# Altium PCB VNA_v4.PcbDoc (part 5 of 5)
Units mm, origin at the board's own origin, x right, y up, seen from the top; angles counter-clockwise.
Board outline 179 x 180 mm, 2 copper layers (Top Layer, Bottom Layer), stack 1.601 mm thick; 281 components, 184 nets, 845 pads, 5745 vias.
Unrouted connection lines stored in the file: 5.
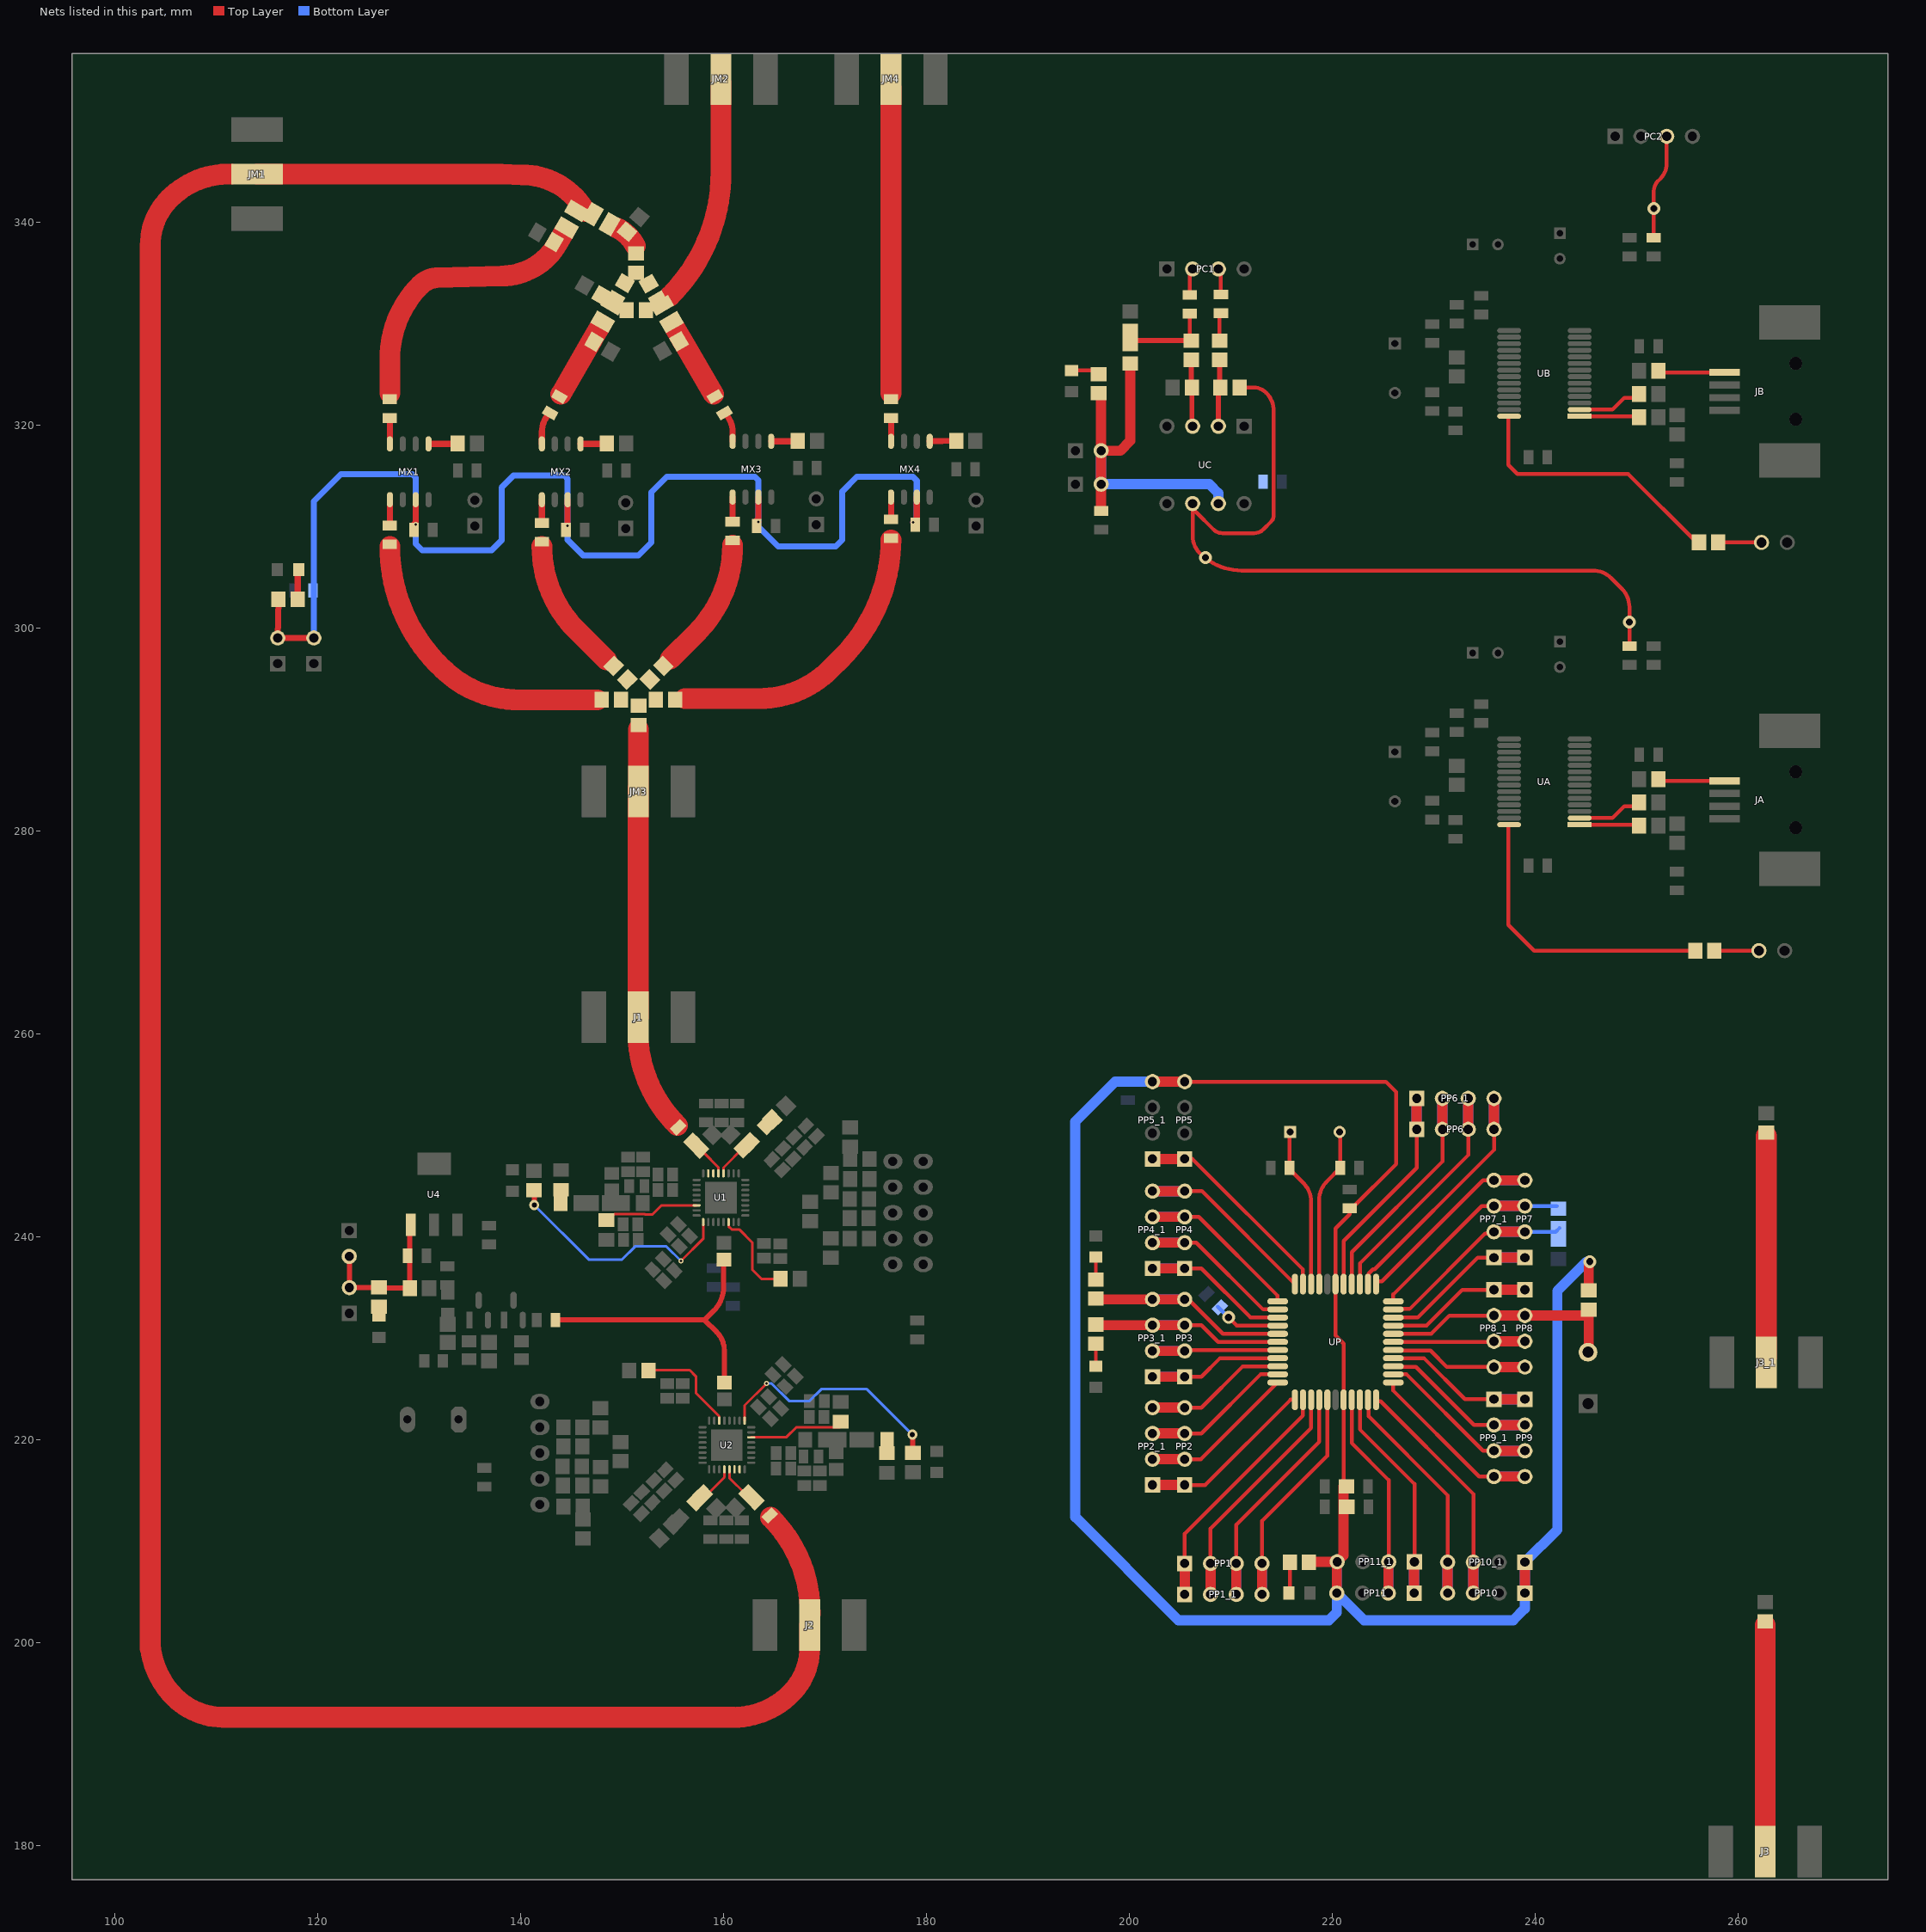
[diagram p5: the nets of this part, all layers, seen from the top]

## Via types
v1: diameter 0.5, hole 0.254, Top Layer to Bottom Layer, 5718 vias
v2: diameter 5, hole 4, Top Layer to Bottom Layer, 12 vias
v3: diameter 1, hole 0.5, Top Layer to Bottom Layer, 8 vias
v4: diameter 1.27, hole 0.711, Top Layer to Bottom Layer, 7 vias

## Nets (pads, with @x,y where several pads share a name; then routed paths per layer and width w, separated by ;. In a path a pad name is that pad's centre, name@x,y a point inside that pad or via, vN(x,y) a via of type N, cw(c..) or ccw(c..) an arc to the next point about the centre after c; other vN are vias at no path point) (continued)
NetCC1_1: CC1.1 RC1.2 RC7.1 RC8.1 | length 8.6
  Top Layer w0.381: RC1.2@205.867,328.314 205.973,328.42 CC1.1@205.973,330.966
  Top Layer w0.5: RC8.1@200.1,327.95 200.464,328.314 RC1.2@205.867,328.314
NetCC2_1: CC2.1 RC2.2 | length 2.7
  Top Layer w0.381: RC2.2@208.915,328.314 208.915,330.884 CC2.1@209.042,331.011
NetCM11_2: CM11.2 MX1.5 | length 2.5
  Top Layer w0.6: CM11.2@127.121,310.084 MX1.5@127.121,312.632
NetCM12_2: CM12.2 MX1.4 | length 2.5
  Top Layer w0.6: MX1.4@127.121,318.132 CM12.2@127.121,320.68
NetCM21_2: CM21.2 MX2.5 | length 2.3
  Top Layer w0.6: CM21.2@142.107,310.338 MX2.5@142.107,312.632
NetCM22_2: CM22.2 MX2.4 | length 3.3
  Top Layer w0.6: MX2.4@142.107,318.132 142.107,319.325 cw(c144.647,319.325) 142.851,321.121 CM22.2@142.914,321.185
NetCM31_2: CM31.2 MX3.5 | length 2.4
  Top Layer w0.6: CM31.2@160.903,310.465 MX3.5@160.903,312.886
NetCM32_2: CM32.2 MX3.4 | length 3
  Top Layer w0.6: CM32.2@160.095,321.185 160.159,321.121 cw(c158.363,319.325) 160.903,319.325 MX3.4@160.903,318.386
NetCM41_2: CM41.2 MX4.5 | length 2.2
  Top Layer w0.6: CM41.2@176.524,310.683 MX4.5@176.524,312.886
NetCM42_2: CM42.2 MX4.4 | length 2.3
  Top Layer w0.6: MX4.4@176.524,318.386 CM42.2@176.524,320.68
NetD41_2: D41.2 R41.1
NetDA_1: DA.1 RA5.1 | length 4.4
  Top Layer w0.381: RA5.1@257.686,268.175 DA.1@262.07,268.175
NetDB_1: DB.1 RB5.1 | length 4.4
  Top Layer w0.381: RB5.1@258.065,308.413 DB.1@262.449,308.413
NetDC_2: DC.2 RC5.1 | length 2.8
  Top Layer w0.381: DC.2@194.31,325.366 196.623,325.366 RC5.1@196.977,325.012
NetDM6_2: DM6.2 RM6.1 | length 3
  Top Layer w0.6: RM6.1@118.038,302.809 118.038,305.63 DM6.2@118.138,305.73
NetDP1_2: DP1.2 RP1.1 | length 3.1
  Top Layer w0.381: DP1.2@215.727,204.843 215.827,204.943 RP1.1@215.827,207.891
NetDP2_2: DP2.2 RP2.1 | length 2.2
  Top Layer w0.381: RP2.1@196.711,235.765 DP2.2@196.711,237.956
NetDP3_2: DP3.2 RP3.1 | length 2.2
  Top Layer w0.381: DP3.2@196.711,227.229 RP3.1@196.711,229.42
NetMX1_1: MX1.1 RM1.2 | length 2.9
  Top Layer w0.6: MX1.1@130.931,318.132 133.747,318.132 RM1.2@133.791,318.176
NetMX2_1: MX2.1 RM2.2 | length 2.7
  Top Layer w0.6: MX2.1@145.917,318.132 148.352,318.132 RM2.2@148.523,318.303
NetMX3_1: MX3.1 RM3.2 | length 2.7
  Top Layer w0.6: MX3.1@164.713,318.386 167.148,318.386 RM3.2@167.319,318.557
NetMX4_1: MX4.1 RM4.2 | length 2.6
  Top Layer w0.6: MX4.1@180.334,318.386 RM4.2@182.94,318.43
NetR11A_1: R11A.2 R11B.1
NetR13_1: R13.1 U1.22 | length 9.5
  Top Layer w0.254: R13.1@148.49,241.355 R13.1@148.59,241.355 ; R13.1@148.57,241.635 149.098,242.163 149.237,242.163 149.269,242.195 152.239,242.195 152.251,242.183 153.023,242.183 153.913,243.073 U1.22@157.358,243.073
NetR14_2: R14.2 U1.25 | length 23.8
  Top Layer w0.254: R14.2@141.32,244.56 R14.2@141.35,244.53 ; v1(155.817,237.583) 158.006,239.772 U1.25@158.006,241.15
  Top Layer w0.5: v3(141.35,243.106) R14.2@141.35,244.53
  Bottom Layer w0.254: v3(141.35,243.106) 146.726,237.73 150.01,237.73 151.3,239.02 154.38,239.02 v1(155.817,237.583)
NetR16_1: R16.1 U1.30 | length 9.3
  Top Layer w0.254: U1.30@160.508,241.423 160.508,241.009 160.82,240.696 161.554,240.696 162.833,239.417 162.833,236.747 163.75,235.83 R16.1@165.64,235.83
NetR21A_1: R21A.2 R21B.1
NetR23_1: R23.1 U2.22 | length 9.2
  Top Layer w0.254: U2.22@162.743,220.197 166.187,220.197 167.19,221.2 R23.1@171.48,221.2
NetR24_2: R24.2 U2.25 | length 23.8
  Top Layer w0.254: U2.25@162.093,221.847 162.093,223.347 v1(164.248,225.502) ; v3(178.63,220.46) v3@178.67,220.42
  Top Layer w0.5: R24.2@178.67,218.68 v3@178.67,220.42
  Bottom Layer w0.254: v1(164.248,225.502) 164.758,225.502 166.47,223.79 168.484,223.79 169.644,224.95 174.14,224.95 v3(178.63,220.46)
NetR26_1: R26.1 U2.30 | length 10.5
  Top Layer w0.254: R26.1@152.59,226.35 153.06,226.82 156.68,226.82 157.28,226.22 157.28,224.58 159.593,222.268 U2.30@159.593,221.847
NetR51_2: R51.2 R52.2 R53.2 R54.2 R55.1
NetRA1_2: RA1.2 UA.1 | length 5.9
  Top Layer w0.381: UA.1@244.394,280.594 250.163,280.594 RA1.2@250.256,280.501
NetRA2_1: RA2.1 UA.2 | length 6.5
  Top Layer w0.381: UA.2@244.394,281.244 247.631,281.244 248.793,282.406 249.875,282.406 RA2.1@250.256,282.787
NetRA5_2: RA5.2 UA.28 | length 30.3
  Top Layer w0.381: UA.28@236.484,280.594 UA.28@237.444,280.594 ; UA.28@237.444,280.552 237.363,280.471 237.363,270.722 239.91,268.175 RA5.2@255.786,268.175
NetRB1_2: RB1.2 UB.1 | length 5.9
  Top Layer w0.381: UB.1@244.394,320.853 250.163,320.853 RB1.2@250.256,320.76
NetRB2_1: RB2.1 UB.2 | length 6.5
  Top Layer w0.381: UB.2@244.394,321.503 247.631,321.503 248.793,322.665 249.875,322.665 RB2.1@250.256,323.046
NetRB5_2: RB5.2 UB.28 | length 27.7
  Top Layer w0.381: UB.28@236.484,320.853 UB.28@237.444,320.853 ; UB.28@237.444,320.811 237.363,320.73 237.363,316.061 238.252,315.172 249.174,315.172 255.933,308.413 RB5.2@256.165,308.413
NetRC1_1: RC1.1 RC6.1 UC.3 | length 6.6
  Top Layer w0.5: RC6.1@206.121,323.742 RC1.1@206.121,326.414 ; UC.3@206.182,319.937 RC6.1@206.182,323.681
  Top Layer w1: RC6.1@206.121,323.742 RC6.1@206.182,323.681 ; UC.3@206.182,319.937 UC.3@206.248,319.871
NetRC2_1: RC2.1 RC4.2 UC.2 | length 6.7
  Top Layer w0.5: UC.2@208.788,319.871 RC4.2@208.788,323.488 ; RC4.2@208.915,323.747 RC2.1@208.915,326.414
  Top Layer w1: RC4.2@208.788,323.488 RC4.2@208.981,323.681 RC4.2@208.915,323.747
NetRR1_1: RR1.1 RR4A.1 RR5.1 | length 2.6
  Top Layer w2.053: 149.487,339.417 cw(c147.893,335.938) 151.32,337.64
NetRR1_2: RR1.2 RR6A.2 RR7A.2
NetRR7A_1: RR7A.1 RR8A.2 RR12.2 RR14A.1
NN: "RN 50 Ohm.2" J3_1.1 | length 21.8
  Top Layer w2.053: J3_1.1@262.8,228.1 262.8,249.9
OLin1: CM11.1 R51.1 | length 29.5
  Top Layer w2.053: CM11.1@127.121,308.016 ccw(c143.67,308.016) 132.265,296.025 ccw(c139.803,303.565) 139.803,292.903 R51.1@147.568,292.903
OLin2: CM21.1 R52.1 | length 13.3
  Top Layer w2.053: CM21.1@142.107,308.016 ccw(c153.758,308.016) 145.52,299.777 148.457,296.84
OLin3: CM31.1 R53.1 | length 13.2
  Top Layer w2.053: 154.77,296.93 157.311,299.471 ccw(c148.639,308.143) CM31.1@160.903,308.143
OLin4: CM41.1 R54.1 | length 29.6
  Top Layer w2.053: 156.204,293.03 163.57,293.03 ccw(c163.57,302.841) 170.508,295.904 171.636,297.032 ccw(c159.835,308.833) CM41.1@176.523,308.651
OSC1: CP1.2 UP.30 YP.2 | length 16.1
  Top Layer w0.381: UP.30@218.733,235.308 218.733,243.629 cw(c221.273,243.629) 219.477,245.425 CP1.2@220.805,246.753 YP.2@220.805,250.69
OSC2: CP2.2 UP.31 YP.1 | length 16.2
  Top Layer w0.381: YP.1@215.797,250.69 CP2.2@215.797,246.753 215.797,246.626 217.189,245.234 cw(c215.393,243.438) 217.933,243.438 UP.31@217.933,235.308
PDBRF1: 
PDBRF2: 
Pfwd: CM12.1 RR2A.1 RR3.1 | length 27.8
  Top Layer w2.053: 127.121,323.129 127.121,326.53 cw(c137.36,326.53) 130.12,333.77 cw(c131.926,331.964) 131.689,334.507 138.17,334.671 ccw(c138.1,341.041) 143.419,337.536 143.604,337.848 143.733,338.065 RR2A.1@144.371,339.144
Pin: C227.2 J2.1 JM1.1 RR2A.2 RR4A.2 | length 269.2
  Top Layer w2.053: 110.692,192.615 cw(c110.692,199.392) 105.9,194.6 cw(c111.776,200.476) 103.547,199.321 cw(c103.66,199.434) 103.5,199.434 103.5,337.713 cw(c109.987,337.713) 105.4,342.3 cw(c111.276,336.424) JM1.1@111.501,344.731 ; 111,192.6 160.977,192.6 ccw(c160.977,200.623) 166.65,194.95 ccw(c162.184,199.416) 168.5,199.416 J2.1@168.5,201.69 ; JM1.1@114.04,344.719 138.066,344.719 138.111,344.718 140.183,344.647 cw(c140.183,337.513) RR2A.2@146.384,341.04 ; C227.2@164.65,212.32 cw(c155.333,202.948) J2.1@168.531,202.284
PIN1: PP2.1 PP2_1.1 UP.1 | length 20.7
  Top Layer w0.381: PP2.1@205.474,215.511 207.506,215.511 215.903,223.908 UP.1@216.333,223.908
  Top Layer w1: PP2_1.1@202.299,215.511 PP2.1@205.474,215.511
  Bottom Layer w1: PP2_1.1@202.299,215.511 PP2.1@205.474,215.511
PIN2: PP1.1 PP1_1.1 UP.2 | length 27.1
  Top Layer w0.381: PP1.1@205.474,207.764 205.474,210.685 217.133,222.344 UP.2@217.133,223.908
  Top Layer w1: PP1_1.1@205.474,204.716 PP1.1@205.474,207.764
  Bottom Layer w1: PP1_1.1@205.474,204.716 PP1.1@205.474,207.764
PIN3: PP1.2 PP1_1.2 UP.3 | length 26.3
  Top Layer w0.381: PP1.2@208.014,207.764 208.014,211.193 217.933,221.112 UP.3@217.933,223.908
  Top Layer w1: PP1_1.2@208.014,204.716 PP1.2@208.014,207.764
  Bottom Layer w1: PP1_1.2@208.014,204.716 PP1.2@208.014,207.764
PIN4: PP1.3 PP1_1.3 UP.4 | length 25.6
  Top Layer w0.381: PP1.3@210.554,207.764 210.554,211.574 218.733,219.753 UP.4@218.733,223.908
  Top Layer w1: PP1_1.3@210.554,204.716 PP1.3@210.554,207.764
  Bottom Layer w1: PP1_1.3@210.554,204.716 PP1.3@210.554,207.764
PIN5: PP1.4 PP1_1.4 UP.5 | length 24.9
  Top Layer w0.381: PP1.4@213.094,207.764 213.094,211.955 219.533,218.394 UP.5@219.533,223.908
  Top Layer w1: PP1_1.4@213.094,204.716 PP1.4@213.094,207.764
  Bottom Layer w1: PP1_1.4@213.094,204.716 PP1.4@213.094,207.764
PIN8: PP11.2 PP11_1.2 UP.8 | length 23.7
  Top Layer w0.381: UP.8@221.933,223.908 221.933,219.626 225.574,215.985 PP11_1.2@225.574,207.932
  Top Layer w1: PP11.2@225.54,204.843 225.54,207.898 PP11_1.2@225.574,207.932
  Bottom Layer w0.381: PP11_1.2@225.54,207.898 PP11_1.2@225.574,207.932
  Bottom Layer w1: PP11.2@225.54,204.843 PP11_1.2@225.54,207.898
PIN9: PP11.1 PP11_1.1 UP.9 | length 24.4
  Top Layer w0.381: UP.9@222.733,223.908 222.733,220.985 228.114,215.604 PP11_1.1@228.114,207.932
  Top Layer w1: PP11.1@228.08,204.843 228.08,207.898 PP11_1.1@228.114,207.932
  Bottom Layer w0.381: PP11_1.1@228.08,207.898 PP11_1.1@228.114,207.932
  Bottom Layer w1: PP11.1@228.08,204.843 PP11_1.1@228.08,207.898
PIN10: PP10.4 PP10_1.4 UP.10 | length 24.9
  Top Layer w0.381: UP.10@223.533,223.908 223.588,223.853 223.588,222.289 231.382,214.495 PP10_1.4@231.382,208.399
  Top Layer w1: PP10.4@231.382,204.843 PP10_1.4@231.382,207.891
  Bottom Layer w1: PP10.4@231.382,204.843 PP10_1.4@231.382,207.891
PIN11: PP10.3 PP10_1.3 UP.11 | length 25.8
  Top Layer w0.381: UP.11@224.333,223.908 224.434,223.807 224.434,223.763 224.781,223.763 233.922,214.622 PP10_1.3@233.922,208.399
  Top Layer w1: PP10.3@233.922,204.843 PP10_1.3@233.922,207.891
  Bottom Layer w1: PP10.3@233.922,204.843 PP10_1.3@233.922,207.891
PIN12: PP9.4 PP9_1.4 UP.12 | length 20.3
  Top Layer w0.381: UP.12@226.033,225.608 226.033,224.797 234.496,216.334 PP9_1.4@235.954,216.334
  Top Layer w1: PP9_1.4@235.954,216.334 PP9.4@239.002,216.334
  Bottom Layer w1: PP9_1.4@235.954,216.334 PP9.4@239.002,216.334
PIN13: PP9.3 PP9_1.3 UP.13 | length 19.1
  Top Layer w0.381: UP.13@226.033,226.408 227.343,226.408 234.877,218.874 PP9_1.3@235.954,218.874
  Top Layer w1: PP9_1.3@235.954,218.874 PP9.3@239.002,218.874
  Bottom Layer w1: PP9_1.3@235.954,218.874 PP9.3@239.002,218.874
PIN14: PP9.2 PP9_1.2 UP.14 | length 18.4
  Top Layer w0.381: UP.14@226.033,227.208 226.088,227.153 228.249,227.153 233.988,221.414 PP9_1.2@235.954,221.414
  Top Layer w1: PP9_1.2@235.954,221.414 PP9.2@239.002,221.414
  Bottom Layer w1: PP9_1.2@235.954,221.414 PP9.2@239.002,221.414
PIN15: PP9.1 PP9_1.1 UP.15 | length 17.7
  Top Layer w0.381: UP.15@226.033,228.008 229.045,228.008 233.099,223.954 PP9_1.1@235.954,223.954
  Top Layer w1: PP9_1.1@235.954,223.954 PP9.1@239.002,223.954
  Bottom Layer w1: PP9_1.1@235.954,223.954 PP9.1@239.002,223.954
PIN16: PP8.4 PP8_1.4 UP.16 | length 16.7
  Top Layer w0.381: UP.16@226.033,228.808 226.088,228.753 229.697,228.753 231.321,227.129 PP8_1.4@235.954,227.129
  Top Layer w1: PP8_1.4@235.954,227.129 PP8.4@239.002,227.129
  Bottom Layer w1: PP8_1.4@235.954,227.129 PP8.4@239.002,227.129
PIN17: PP8.3 PP8_1.3 UP.17 | length 16
  Top Layer w0.381: UP.17@226.033,229.608 235.893,229.608 PP8_1.3@235.954,229.669
  Top Layer w1: PP8_1.3@235.954,229.669 PP8.3@239.002,229.669
  Bottom Layer w1: PP8_1.3@235.954,229.669 PP8.3@239.002,229.669
PIN18: "SW RST.2" PP8.2 PP8_1.2 RP4.2 UP.18 | length 26.6
  Top Layer w0.381: UP.18@226.033,230.408 229.769,230.408 231.57,232.209 PP8_1.2@235.954,232.209
  Top Layer w1: PP8_1.2@235.954,232.209 PP8.2@239.002,232.209 245.122,232.209 245.304,232.027 245.304,228.671 245.225,228.592
  Bottom Layer w1: PP8_1.2@235.954,232.209 PP8.2@239.002,232.209
PIN19: PP8.1 PP8_1.1 UP.19 | length 17.5
  Top Layer w0.381: UP.19@226.033,231.208 229.299,231.208 232.84,234.749 PP8_1.1@235.954,234.749
  Top Layer w1: PP8_1.1@235.954,234.749 PP8.1@239.002,234.749
  Bottom Layer w1: PP8_1.1@235.954,234.749 PP8.1@239.002,234.749
PIN20: PP7.1 PP7_1.1 UP.20 | length 18.5
  Top Layer w0.381: UP.20@226.033,232.008 228.448,232.008 234.364,237.924 PP7_1.1@235.954,237.924
  Top Layer w1: PP7_1.1@235.954,237.924 PP7.1@239.002,237.924
  Bottom Layer w1: PP7_1.1@235.954,237.924 PP7.1@239.002,237.924
PIN21: PP7.2 PP7_1.2 RP5.1 RP6.2 UP.21 | length 22.8
  Top Layer w0.381: UP.21@226.033,232.808 226.075,232.85 227.639,232.85 235.065,240.277 235.766,240.277 PP7_1.2@235.954,240.464
  Top Layer w1: PP7_1.2@235.954,240.464 PP7.2@239.002,240.464
  Bottom Layer w0.381: PP7.2@239.002,240.464 242.045,240.464 RP5.1@242.431,240.85
  Bottom Layer w1: PP7_1.2@235.954,240.464 PP7.2@239.002,240.464
PIN22: PP7.3 PP7_1.3 RP5.2 UP.22 | length 23.5
  Top Layer w0.381: UP.22@226.033,233.608 226.033,234.292 234.745,243.004 PP7_1.3@235.954,243.004
  Top Layer w1: PP7_1.3@235.954,243.004 PP7.3@239.002,243.004
  Bottom Layer w0.381: PP7.3@239.002,243.004 RP5.2@242.177,243.004
  Bottom Layer w1: PP7_1.3@235.954,243.004 PP7.3@239.002,243.004
PIN23: PP7.4 PP7_1.4 UP.23 | length 21.8
  Top Layer w0.381: UP.23@224.333,235.586 224.914,235.586 234.872,245.544 PP7_1.4@235.954,245.544
  Top Layer w1: PP7_1.4@235.954,245.544 PP7.4@239.002,245.544
  Bottom Layer w1: PP7_1.4@235.954,245.544 PP7.4@239.002,245.544
PIN24: PP6.4 PP6_1.4 UP.24 | length 26.6
  Top Layer w0.381: UP.24@223.533,235.308 223.575,235.35 223.575,236.23 223.588,236.243 223.588,236.342 224.024,236.778 224.2,236.778 235.954,248.531 PP6.4@235.954,250.563
  Top Layer w1: PP6.4@235.954,250.563 PP6_1.4@235.954,253.611
  Bottom Layer w1: PP6.4@235.954,250.563 PP6_1.4@235.954,253.611
PIN25: PP6.3 PP6_1.3 UP.25 | length 25.8
  Top Layer w0.381: UP.25@222.733,235.308 222.733,237.342 233.414,248.023 PP6.3@233.414,250.563
  Top Layer w1: PP6.3@233.414,250.563 PP6_1.3@233.414,253.611
  Bottom Layer w1: PP6.3@233.414,250.563 PP6_1.3@233.414,253.611
PIN26: PP6.2 PP6_1.2 UP.26 | length 25.1
  Top Layer w0.381: UP.26@221.933,235.308 221.933,238.447 230.874,247.388 PP6.2@230.874,250.563
  Top Layer w1: PP6.2@230.874,250.563 PP6_1.2@230.874,253.611
  Bottom Layer w1: PP6.2@230.874,250.563 PP6_1.2@230.874,253.611
PIN27: PP6.1 PP6_1.1 UP.27 | length 24.3
  Top Layer w0.381: UP.27@221.133,235.308 221.133,239.552 228.334,246.753 PP6.1@228.334,250.563
  Top Layer w1: PP6.1@228.334,250.563 PP6_1.1@228.334,253.611
  Bottom Layer w1: PP6.1@228.334,250.563 PP6_1.1@228.334,253.611
PIN32: PP5.1 PP5_1.1 UP.32 | length 24
  Top Layer w0.381: PP5.1@205.474,247.642 206.236,247.642 217.133,236.745 UP.32@217.133,235.308
  Top Layer w1: PP5_1.1@202.299,247.642 PP5.1@205.474,247.642
  Bottom Layer w1: PP5_1.1@202.299,247.642 PP5.1@205.474,247.642
PIN33: PP4.4 PP4_1.4 UP.33 | length 21
  Top Layer w0.381: PP4.4@205.474,244.467 207.174,244.467 UP.33@216.333,235.308
  Top Layer w1: PP4_1.4@202.299,244.467 PP4.4@205.474,244.467
  Bottom Layer w1: PP4_1.4@202.299,244.467 PP4.4@205.474,244.467
PIN34: PP4.3 PP4_1.3 UP.34 | length 19.3
  Top Layer w0.381: PP4.3@205.474,241.927 206.871,241.927 214.633,234.165 UP.34@214.633,233.608
  Top Layer w1: PP4_1.3@202.299,241.927 PP4.3@205.474,241.927
  Bottom Layer w1: PP4_1.3@202.299,241.927 PP4.3@205.474,241.927
PIN35: PP4.2 PP4_1.2 UP.35 | length 18.2
  Top Layer w0.381: PP4.2@205.474,239.387 206.617,239.387 213.196,232.808 UP.35@214.633,232.808
  Top Layer w1: PP4_1.2@202.299,239.387 PP4.2@205.474,239.387
  Bottom Layer w1: PP4_1.2@202.299,239.387 PP4.2@205.474,239.387
PIN36: PP4.1 PP4_1.1 UP.36 | length 17.5
  Top Layer w0.381: PP4.1@205.474,236.847 207.125,236.847 211.964,232.008 UP.36@214.633,232.008
  Top Layer w1: PP4_1.1@202.299,236.847 PP4.1@205.474,236.847
  Bottom Layer w1: PP4_1.1@202.299,236.847 PP4.1@205.474,236.847
PIN37: CP3.2 UP.37 | length 6.8
  Top Layer w0.381: v4@209.792,232.148 v4(209.792,232.021) 210.605,231.208 UP.37@214.633,231.208
  Bottom Layer w0.381: CP3.2@208.735,233.091 208.735,233.078 v4(209.792,232.021)
PIN38: PP3.4 PP3_1.4 RP2.2 UP.38 | length 22.5
  Top Layer w0.381: PP3.4@205.474,233.799 205.855,233.799 209.246,230.408 UP.38@214.633,230.408
  Top Layer w1: RP2.2@196.711,233.865 196.777,233.799 PP3_1.4@202.299,233.799 PP3.4@205.474,233.799
  Bottom Layer w1: PP3_1.4@202.299,233.799 PP3.4@205.474,233.799
PIN39: PP3.3 PP3_1.3 RP3.2 UP.39 | length 21.8
  Top Layer w0.381: RP3.2@196.711,231.32 RP3.2@196.772,231.259 ; PP3.3@205.474,231.259 207.125,231.259 208.776,229.608 UP.39@214.633,229.608
  Top Layer w1: RP3.2@196.772,231.259 PP3_1.3@202.299,231.259 PP3.3@205.474,231.259
  Bottom Layer w1: PP3_1.3@202.299,231.259 PP3.3@205.474,231.259
PIN40: PP3.2 PP3_1.2 UP.40 | length 15.5
  Top Layer w0.381: PP3.2@205.474,228.719 205.563,228.808 UP.40@214.633,228.808
  Top Layer w1: PP3_1.2@202.299,228.719 PP3.2@205.474,228.719
  Bottom Layer w1: PP3_1.2@202.299,228.719 PP3.2@205.474,228.719
PIN41: PP3.1 PP3_1.1 UP.41 | length 16.3
  Top Layer w0.381: PP3.1@205.474,226.179 207.125,226.179 208.954,228.008 UP.41@214.633,228.008 UP.41@214.577,227.953
  Top Layer w1: PP3_1.1@202.299,226.179 PP3.1@205.474,226.179
  Bottom Layer w1: PP3_1.1@202.299,226.179 PP3.1@205.474,226.179
PIN42: PP2.4 PP2_1.4 UP.42 | length 17.3
  Top Layer w0.381: PP2.4@205.474,223.131 207.125,223.131 211.202,227.208 UP.42@214.633,227.208 UP.42@214.577,227.153
  Top Layer w1: PP2_1.4@202.299,223.131 PP2.4@205.474,223.131
  Bottom Layer w1: PP2_1.4@202.299,223.131 PP2.4@205.474,223.131
PIN43: PP2.3 PP2_1.3 UP.43 | length 17.9
  Top Layer w0.381: PP2.3@205.474,220.591 207.125,220.591 212.942,226.408 UP.43@214.633,226.408
  Top Layer w1: PP2_1.3@202.299,220.591 PP2.3@205.474,220.591
  Bottom Layer w1: PP2_1.3@202.299,220.591 PP2.3@205.474,220.591
PIN44: PP2.2 PP2_1.2 UP.44 | length 18.6
  Top Layer w0.381: PP2.2@205.474,218.051 207.076,218.051 UP.44@214.633,225.608
  Top Layer w1: PP2_1.2@202.299,218.051 PP2.2@205.474,218.051
  Bottom Layer w1: PP2_1.2@202.299,218.051 PP2.2@205.474,218.051
Prev1: CM32.1 RR9.1 RR10.1 | length 7.6
  Top Layer w2.053: RR9.1@155.188,329.606 155.972,328.265 CM32.1@159.044,323.013
Prev2: CM22.1 RR12.1 RR13.1 | length 7.9
  Top Layer w2.053: CM22.1@143.976,323.023 147.05,328.347 147.058,328.362 RR12.1@147.93,329.871
REFF: C04.2 C121.1 C221.1 | length 28.1
  Top Layer w0.5: C04.2@143.455,231.77 157.914,231.77 158.14,231.77 ; C121.1@160.012,237.664 160.012,234.984 cw(c156.771,234.984) 159.062,232.692 158.14,231.77 ; C221.1@160.089,225.606 160.089,228.769 ccw(c157.549,228.769) 159.345,230.565 158.14,231.77
rev1: CC1.2 PC1.2 | length 2.7
  Top Layer w0.381: CC1.2@205.973,332.816 205.973,335.09 PC1.2@206.248,335.365
rev2: CC2.2 PC1.3 | length 2.6
  Top Layer w0.381: PC1.3@208.788,335.365 209.042,335.111 CC2.2@209.042,332.861
RF1: C127.2 J1.1 JM3.1 R55.2 | length 37.5
  Top Layer w2.053: J1.1@151.61,261.61 151.61,284.272 151.632,284.294 R55.2@151.632,289.982 ; 151.614,259.047 ccw(c164.767,260.322) C127.2@155.45,250.95
RF1+: C126.2 R19.1
RF1A+: C126.1 R17.2 U1.12 | length 5.3
  Top Layer w0.254: U1.12@160.008,246.223 160.008,246.796 162.05,248.838 C126.1@162.736,249.524 ; R17.2@161.9,248.568 162.012,248.568 162.44,248.568 R17.2@162.09,248.568
RF1A-: C127.1 R15.1 U1.13 | length 2.7
  Top Layer w0.254: R15.1@158.034,248.294 159.508,246.82 U1.13@159.508,246.223
RF1B+: U1.14
RF1B-: U1.15
RF2: "RN1 50 OHm.2" J3.1 | length 21.8
  Top Layer w2.053: J3.1@262.7,179.9 262.7,201.7
RF2A+: C226.1 R27.2 U2.12 | length 3.7
  Top Layer w0.254: R27.2@157.938,214.522 158.352,214.522 160.093,216.263 U2.12@160.093,217.047
RF2A-: C227.1 R25.1 U2.13 | length 3.4
  Top Layer w0.254: U2.13@160.593,217.047 160.593,216.198 162.208,214.582 R25.1@162.502,214.582
RF2B+: U2.14
RF2B-: U2.15
rx: CA4.1 RC4.1 UC.6 | length 78.9
  Top Layer w0.381: RC4.1@210.881,323.681 212.261,323.681 cw(c212.261,321.947) 213.487,323.173 213.505,323.155 cw(c211.709,321.359) 214.249,321.359 214.249,311.086 cw(c213.382,311.086) 213.995,310.473 213.211,309.689 cw(c212.344,310.556) 212.344,309.33 209.2,309.33 cw(c209.2,310.631) 208.28,309.711 206.607,311.384 cw(c207.474,312.251) UC.6@206.248,312.251 206.248,309.059 ccw(c208.661,309.059) 206.955,307.353 ccw(c211.074,311.473) 211.074,305.647 245.709,305.647 cw(c245.709,303.107) 247.505,304.903 248.557,303.851 cw(c246.761,302.055) 249.301,302.055 CA4.1@249.301,298.19
  other v4: 249.301,300.567 207.518,306.917
TMX: CM42.1 JM4.1 | length 30.1
  Top Layer w2.053: 176.524,323.129 JM4.1@176.524,353.228
tx: CB3.1 PC2.3 | length 10.4
  Top Layer w0.381: CB3.1@251.714,338.449 251.714,343.081 cw(c253.015,343.081) 252.095,344.001 252.355,344.261 ccw(c250.838,345.779) 252.984,345.779 PC2.3@252.984,348.446
  other v4: 251.714,341.334
V5: C06.2 P3.2 P5.2 R01.2 R41.2 U4.1 | length 16
  Top Layer w0.5: P5.2@123.1,234.91 P5.2@123.13,234.94 ; P3.2@123.11,238.04 123.13,238.02 P5.2@123.13,234.96 126.021,234.96 R41.2@126.059,234.998 126.147,234.91 R01.2@129.084,234.91 129.084,238.06 U4.1@129.084,241.76
VA5: JA.1 RA4.1 | length 6.6
  Top Layer w0.381: RA4.1@252.156,285.073 252.313,284.916 JA.1@258.7,284.916
VB5: JB.1 RB4.1 | length 6.6
  Top Layer w0.381: RB4.1@252.156,325.332 252.313,325.175 JB.1@258.7,325.175
VCC5: CC3.1 CC4.1 PC3.2 PC4.2 RC5.2 RC8.2 UC.7 | length 38.8
  Top Layer w1: RC5.2@196.977,323.112 197.231,322.858 PC4.2@197.231,317.458 ; CC4.1@197.231,311.525 PC3.2@197.231,314.156 PC4.2@197.231,317.458 ; RC8.2@200.1,326.05 200.1,318.43 199.128,317.458 PC4.2@197.231,317.458
  Bottom Layer w1: PC4.2@197.231,317.458 PC3.2@197.231,314.156 207.899,314.156 208.788,313.267 UC.7@208.788,312.251
VDD5: 
VM5: CM14.1 CM15.1 CM24.1 CM34.1 CM44.1 MX1.7 MX2.7 MX3.7 MX4.7 PM5.2 PM6.2 RM6.2 | length 135.6
  Top Layer w0.6: RM6.2@116.138,302.809 PM6.2@116.072,298.999 PM5.2@119.628,298.999 ; v1(129.661,310.175) 129.661,309.83 CM14.1@129.498,309.667 129.498,310.204 129.661,310.367 MX1.7@129.661,312.632 ; CM24.1@144.484,309.667 144.484,309.885 v1(144.647,310.048) MX2.7@144.647,312.632 ; v1(163.443,310.429) 163.28,310.266 CM44.1@163.28,310.048 163.28,310.585 163.443,310.748 MX3.7@163.443,312.886 ; v1(178.683,310.393) CM34.1@178.901,310.175 ; CM34.1@179.064,310.52 MX4.7@179.064,312.886
  Bottom Layer w0.6: PM5.2@119.628,298.999 119.628,312.461 122.295,315.128 129.339,315.128 129.661,314.806 129.661,308.27 130.296,307.635 137.154,307.635 138.13,308.611 138.13,313.818 139.313,315.001 144.325,315.001 144.647,314.679 144.647,308.651 146.171,307.127 151.632,307.127 152.902,308.397 152.902,313.35 154.426,314.874 163.121,314.874 163.443,314.552 v1(163.443,310.429) 163.443,309.96 165.387,308.016 171.063,308.016 171.71,308.663 171.71,313.43 173.154,314.874 178.683,314.874 179.064,314.493 179.064,310.774 v1(178.683,310.393)
VP5: CP4.2 CP5.2 CP6.2 CP7.1 CP8.2 CP9.2 PP5.4 PP5_1.4 PP10.1 PP10_1.1 PP11.4 PP11_1.4 RP1.2 RP4.1 UP.7 UP.28 | length 229.5
  Top Layer w0.381: PP5.4@205.474,255.262 225.286,255.262 226.302,254.246 226.302,247.127 221.955,242.78 CP6.2@221.73,242.78 221.73,242.181 220.333,240.784 UP.28@220.333,235.308 220.333,230.243 221.133,229.443 UP.7@221.133,223.908 221.133,217.926 221.131,217.924 CP8.2@221.131,215.892
  Top Layer w0.6: CP8.2@221.131,215.384 CP8.2@221.131,215.892
  Top Layer w1: PP5_1.4@202.299,255.262 PP5.4@205.474,255.262 ; RP1.2@217.727,207.891 217.768,207.932 PP11_1.4@220.494,207.932 ; PP11.4@220.46,204.843 220.46,207.898 PP11_1.4@220.494,207.932 ; CP8.2@221.131,215.384 CP5.2@221.131,213.352 221.131,208.569 PP11_1.4@220.494,207.932 ; PP10.1@239.002,204.843 PP10_1.1@239.002,207.891 ; RP4.1@245.304,234.677 v4@245.304,237.327
  Bottom Layer w0.381: 198.997,255.044 199.088,255.135
  Bottom Layer w1: PP5.4@205.474,255.262 PP5_1.4@202.299,255.262 198.616,255.262 194.679,251.325 194.679,212.336 204.839,202.176 219.698,202.176 220.46,202.938 PP11.4@220.46,204.843 ; PP11_1.4@220.494,207.932 220.46,207.898 PP11.4@220.46,204.843 ; v4(245.404,237.527) 245.104,237.527 242.204,234.627 242.204,211.093 PP10_1.1@239.002,207.891 PP10.1@239.002,204.843 239.002,203.319 237.859,202.176 223.127,202.176 PP11.4@220.46,204.843
VVCO2: 
ZL: JM2.1 RR6A.1 RR8A.1 RR9.2 | length 22.4
  Top Layer w2.053: 154.731,332.705 ccw(c142.59,344.846) 159.76,344.846 JM2.1@159.76,353.736
pads on no net: JA.MH1 JA.MH2 JB.MH1 JB.MH2 MX1.6 MX1.8 MX2.6 MX2.8 MX3.6 MX3.8 MX4.6 MX4.8 UA.5 UA.6 UA.7 UA.15 UA.16 UA.25 UB.5 UB.6 UB.7 UB.15 UB.16 UB.25 UC.1 UC.5

## Polygon pours and split planes (outlines as drawn)
GND on Bottom Layer "GND_L02_P043" (solid, pour order 43): 250.733,259.343 250.733,199.043 192.733,199.043 192.733,259.343
GND on Bottom Layer "GND_L02_P054" (solid, pour order 54): 95.8,356.6 190.5,356.6 190.5,176.6 95.8,176.6
GND on Bottom Layer "GND_L02_P045" (solid, pour order 45): 274.8,356.6 274.8,261.6 210.5,261.6 210.5,298.9 192.1,298.9 192.1,356.6
GND on Bottom Layer "GND_L02_P049" (solid, pour order 49): 254.4,176.8 254.4,210.3 271.3,210.3 271.3,176.8 271.298,176.798
GND on Bottom Layer "GND_L02_P053" (solid, pour order 53): 250.2,197.3 250.2,176.6 192.8,176.6 192.8,197.3
GND on Bottom Layer "GND_L02_P050" (solid, pour order 50): 254.5,225 254.5,258.5 271.4,258.5 271.4,225 271.398,224.998
VCC5 on Bottom Layer "VCC5_L02_P000" (solid, pour order 0): 197.231,313.648 197.231,315.807 213.766,315.807 213.766,313.648 207.645,313.648
GND on Top Layer "GND_L01_P044" (solid, pour order 44): 274.8,356.608 274.8,261.608 210.1,261.608 210.1,298.908 192.1,298.908 192.1,356.608
GND on Top Layer "GND_L01_P042" (solid, pour order 42): 250.733,259.243 250.733,198.943 192.733,198.943 192.733,259.243
GND on Top Layer "GND_L01_P039" (solid, remove dead copper, pour order 39): 95.8,356.6 190.5,356.6 190.5,176.6 95.8,176.6
AVDD1 on Top Layer "AVDD1_L01_P036" (solid, remove dead copper, pour order 36): 158.04,211.55 162.5,211.55 162.5,212.89 161.1,214.29 160.22,214.26 159.37,214.26 158.27,213.16 158.27,213.15 158.04,212.92 158.04,212.23
GND on Top Layer "GND_L01_P047" (solid, pour order 47): 254.4,176.8 254.4,210.3 271.3,210.3 271.3,176.8 271.298,176.798
GND on Top Layer "GND_L01_P052" (solid, pour order 52): 250.2,197.3 250.2,176.6 192.8,176.6 192.8,197.3
NetR51_2 on Top Layer "NETR51_2_L01_P029" (solid, pour order 29): 149.727,291.633 153.537,291.633 154.045,292.141 154.045,294.554 152.648,295.951 150.616,295.951 149.219,294.554 149.219,292.141
GND on Top Layer "GND_L01_P048" (solid, pour order 48): 254.6,224.9 254.6,258.4 271.5,258.4 271.5,224.9 271.498,224.898
V5 on Top Layer "V5_L01_P038" (solid, pour order 38): 123.12,238.03 123.12,234.94 129.054,234.94 129.084,234.91 129.18,235.006 129.18,242.25 127.34,242.25
AVDD1 on Top Layer "AVDD1_L01_P037" (solid, remove dead copper, pour order 37): 162.045,251.722 157.585,251.722 157.585,250.405 159.007,248.983 159.865,249.012 160.715,249.012 161.815,250.112 161.815,250.122 162.045,250.352 162.045,251.042
ZL on Top Layer "ZL_L01_P032" (solid, pour order 32): 153.389,330.744 152.9,330.6 151.7,332 152.5,332.5 153.9,333.3
NetRR7A_1 on Top Layer "NETRR7A_1_L01_P033" (solid, pour order 33): 151.146,332.054 149.9,330.6 146.896,332.352 147.866,334.032 151.044,332.156
Pin on Top Layer "PIN_L01_P035" (solid, pour order 35): 146.04,339.98 146.48,339.98 146.34,340.31 146.09,340.33
Pin on Top Layer "PIN_L01_P034" (solid, pour order 34): 144.601,341.522 144.426,342.004 144.72,341.71
NetRR1_2 on Top Layer "NETRR1_2_L01_P031" (solid, pour order 31): 149.981,334.94 150.616,335.702 152.14,335.702 152.902,334.813 151.886,333.797 150.743,333.797 149.854,334.686

## Silkscreen, mask and mechanical layers (free items; w line width, h text height)
Top Overlay:
  drawing of 804 lines, arcs and shapes, not listed
  text "ix" at 248.311,350.367 h1 r90
  text "GND" at 255.956,350.318 h1 r90
  text "tx" at 253.518,350.24 h1 r90
  text "GND" at 250.952,350.224 h1 r90
  text "VAZQUEZ LEONARDO" at 205.029,349.1 h1
  text "UNMDP - LAC 2024" at 204.902,347.068 h1
  text "Tx" at 177.032,345.862 h1 r90
  text "ZL" at 160.141,345.608 h1 r90
  text "Audio Codecs - v1.0" at 204.216,345.016 h1
  text "R BRIDGE" at 150.108,344.973 h1 r90
  text "Pin" at 121.152,343.83 h1 r90
  text "ix" at 249.645,343.164 h1 r90
  text "tx" at 252.014,343.158 h1 r90
  text "GND" at 203.962,338.032 h1 r90
  text "rev1" at 206.756,338.032 h1 r90
  text "rev2" at 209.423,338.032 h1 r90
  text "GND" at 211.963,338.032 h1 r90
  text "S21 / S12" at 258.953,335.619 h1
  text "12 MHz" at 222.377,334.857 h1
  text "Prev1x" at 162.554,324.526 h1 r90
  text "Ix" at 127.756,323.891 h1 r90
  text "Tx" at 177.032,323.891 h1 r90
  text "Prev2x" at 140.075,323.129 h1 r90
  text "5V" at 199.39,317.077 h1
  text "5V" at 199.405,313.752 h1
  text "PCM2904 - B" at 236.527,313.293 h1
  text "IF - tx" at 188.462,312.461 h1 r90
  text "IF - r1x" at 172.324,312.227 h1 r90
  text "IF - r2x" at 153.627,311.999 h1 r90
  text "IF - ix" at 138.514,311.872 h1 r90
  text "GND" at 195.046,309.354 h1 r90
  text "IAM81008 MIXERS" at 122.422,308.016 h1 r90
  text "MCP6023" at 210.439,307.298 h1
  text "rx = rev2-rev1" at 208.153,304.631 h1
  text "ix" at 252.095,302.472 h1 r90
  text "rx" at 249.555,302.345 h1 r90
  text "5V" at 122.803,298.491 h1 r90
  text "5V" at 113.786,298.237 h1 r90
  text "S11 / S22" at 257.81,295.233 h1
  text "GND" at 122.803,294.935 h1 r90
  text "GND" at 113.786,294.427 h1 r90
  text "12 MHz" at 223.226,294.417 h1
  text "RR_4MXR-v1.1" at 182.874,290.831 h1 r180
  text "LO (x4)" at 158.871,290.363 h1 r90
  text "UNMDP - LAC 2024" at 182.874,288.585 h1 r180
  text "VAZQUEZ LEONARDO" at 182.874,286.172 h1 r180
  text "PCM2904 - A" at 240.227,270.478 h1
  text "ADF4351 - A" at 162.094,260.584 h1.2
  text "ADF4351_10X2 V1.2" at 123.794,260.234 h1.2
  text "V5" at 200.267,255.77 h1 r180
  text "27" at 228.842,255.516 h1 r90
  text "26" at 231.255,255.516 h1 r90
  text "25" at 233.795,255.516 h1 r90
  text "24" at 236.335,255.516 h1 r90
  text "20 MHz" at 219.19,254.754 h1 r180
  text "GND" at 200.394,253.23 h1 r180
  text "GND" at 200.521,250.69 h1 r180
  text "32" at 200.394,248.15 h1 r180
  text "CE" at 181.637,247.048 h0.9
  text "23" at 242.558,246.118 h1 r180
  text "7" at 145.684,245.414 h0.9
  text "7" at 145.644,245.304 h0.9
  text "33" at 200.394,244.848 h1 r180
  text "LE" at 181.602,244.404 h0.9
  text "22" at 242.558,243.451 h1 r180
  text "READY" at 196.965,242.689 h1 r90
  text "34" at 200.394,242.308 h1 r180
  text "DAT" at 181.539,241.978 h0.9
  text "21" at 242.304,240.911 h1 r180
  text "LD1" at 140.784,240.844 h0.9
  text "GND" at 117.734,240.094 h1.2
  text "35" at 200.394,239.895 h1 r180
  text "CLK" at 181.524,239.354 h0.9
  text "20" at 242.685,238.371 h1 r180
  text "19 mm" at 269.546,237.854 h0.9 r90
  text "5V" at 118.864,237.324 h1.2
  text "36" at 200.394,237.228 h1 r180
  text "GND" at 181.524,236.764 h0.9
  text "19" at 242.431,235.323 h1 r180
  text "5V" at 118.894,234.404 h1.2
  text "38" at 200.394,234.307 h1 r180
  text "37" at 210.3,233.164 h1 r90
  text "18" at 242.431,232.783 h1 r180
  text "GND" at 117.734,231.914 h1.2
  text "39" at 200.394,231.64 h1 r180
  text "17" at 242.431,230.37 h1 r180
  text "3.3V" at 174.684,229.574 h0.9
  text "40" at 200.394,229.1 h1 r180
  text "16" at 242.431,227.576 h1 r180
  text "41" at 200.394,226.56 h1 r180
  text "6.65 mm" at 269.546,226.254 h0.9 r90
  text "15" at 242.558,224.528 h1 r180
  text "42" at 200.394,223.639 h1 r180
  text "PIC 18f4550 I/PT / 44TQFP" at 230.833,222.843 h1 r90
  text "14" at 242.431,221.988 h1 r180
  text "LD2" at 179.426,221.824 h0.9 r90
  text "43" at 200.394,221.099 h1 r180
  text "13" at 242.431,219.321 h1 r180
  text "3.3V" at 139.516,218.614 h0.9 r90
  text "44" at 200.394,218.432 h1 r180
  text "BUSY" at 197.092,218.305 h1 r90
  text "12" at 242.431,216.781 h1 r180
  text "1" at 200.14,215.892 h1 r180
  text "10 MHz" at 126.794,215.524 h1.2
  text "7" at 173.454,215.444 h0.9
  text "GND" at 131.314,210.214 h0.9
  text "CLK" at 131.314,208.634 h0.9
  text "VAZQUEZ LEONARDO" at 119.876,207.074 h1 r90
  text "UNMDP - LAC 2024" at 122.306,207.024 h1 r90
  text "DAT" at 131.314,206.954 h0.9
  text "LE" at 131.724,205.244 h0.9
  text "CE" at 131.694,203.544 h0.9
  text "8" at 226.048,202.049 h1 r90
  text "9" at 228.588,202.049 h1 r90
  text "2" at 205.982,201.922 h1 r90
  text "3" at 208.395,201.922 h1 r90
  text "4" at 211.062,201.922 h1 r90
  text "5" at 213.475,201.922 h1 r90
  text "UNMDP - LAC 2024" at 248.273,201.668 h1 r90
  text "VAZQUEZ LEONARDO" at 245.86,201.541 h1 r90
  text "11" at 234.303,201.414 h1 r90
  text "10" at 231.763,201.16 h1 r90
  text "ADF4351 - B" at 145.984,201.104 h1.2
  text "V5" at 239.383,201.033 h1 r90
  text "V5" at 221.095,200.906 h1 r90
  text "GND" at 223.508,200.144 h1 r90
  text "GND" at 236.97,200.144 h1 r90
  text "FR-4" at 200.354,190.654 h0.9
  text "19 mm" at 269.746,189.154 h0.9 r90
  text "VAZQUEZ LEONARDO" at 140.254,181.454 h1
  text "UNMDP - LAC 2024" at 140.254,179.254 h1
  text "6.65 mm" at 269.746,178.054 h0.9 r90
Bottom Overlay:
  lines w0.2: 158.335,235.95 158.335,234.535 158.335,234.48 159.7,234.48 159.79,234.57 159.79,236.02 159.785,236.025 159.785,237.315 159.64,237.46 158.45,237.46 158.335,237.345 158.335,236.025 ; 160.205,234.015 160.205,232.725 160.33,232.6 161.51,232.6 161.65,232.74 161.65,234.01 161.655,234.015 161.655,235.495 161.55,235.6 160.37,235.6 160.205,235.435 160.205,234.165
  text "GND" at 250.952,352.383 h1 r90
  text "GND" at 256.032,352.383 h1 r90
  text "ix" at 248.285,351.748 h1 r90
  text "tx" at 253.492,351.748 h1 r90
  text "VAZQUEZ LEONARDO" at 220.269,348.719 h1
  text "UNMDP - LAC 2024" at 220.269,346.433 h1
  text "tx" at 251.968,344.636 h1 r90
  text "ix" at 249.682,344.509 h1 r90
  text "Audio Codecs - v1.0" at 221.666,344.147 h1
  text "rev2" at 209.169,341.334 h1 r90
  text "rev1" at 206.883,340.826 h1 r90
  text "GND" at 211.963,340.191 h1 r90
  text "GND" at 204.216,340.064 h1 r90
  text "S21 / S12" at 267.081,335.619 h1
  text "VAZQUEZ LEONARDO" at 102.9,332.1 h1 r90
  text "UNMDP - LAC 2024" at 105.146,332.046 h1 r90
  text "5V" at 201.803,317.077 h1
  text "5V" at 201.803,313.775 h1
  text "GND" at 195.146,312.246 h1 r90
  text "rx=rev1-rev2" at 208.153,305.012 h1
  text "ix" at 252.095,303.996 h1 r90
  text "rx" at 249.428,303.869 h1 r90
  text "S11 / S22" at 266.192,295.36 h1
  text "RR_4MXR-v1.1" at 167.38,290.577 h1 r180
  text "UNMDP - LAC 2024" at 167.38,288.585 h1 r180
  text "VAZQUEZ LEONARDO" at 167.253,286.172 h1 r180
  text "VAZQUEZ LEONARDO" at 102.9,277.567 h1 r90
  text "UNMDP - LAC 2024" at 105.146,277.513 h1 r90
  text "ADF4351_10X2 V1.2" at 143.296,260.314 h1.2
  text "VAZQUEZ LEONARDO" at 262.4,248.2 h1 r90
  text "UNMDP - LAC 2024" at 264.646,248.146 h1 r90
  text "VAZQUEZ LEONARDO" at 119.916,223.366 h1 r90
  text "UNMDP - LAC 2024" at 122.076,223.326 h1 r90
  text "VAZQUEZ LEONARDO" at 102.9,223 h1 r90
  text "UNMDP - LAC 2024" at 105.146,222.946 h1 r90
  text "VAZQUEZ LEONARDO" at 245.933,218.043 h1 r90
  text "UNMDP - LAC 2024" at 248.179,217.989 h1 r90
  text "VAZQUEZ LEONARDO" at 262.2,199.3 h1 r90
  text "UNMDP - LAC 2024" at 264.446,199.246 h1 r90
  text "FR-4" at 203.646,192.454 h0.9

## Text inside footprints (layer, text, board x,y; h text height)
DA: Top Overlay "+" at 259.2,267.9 h0.8
DB: Top Overlay "+" at 259.4,308 h0.8